# KiCad board INS-1 Matrix Display Motherboard.kicad_pcb
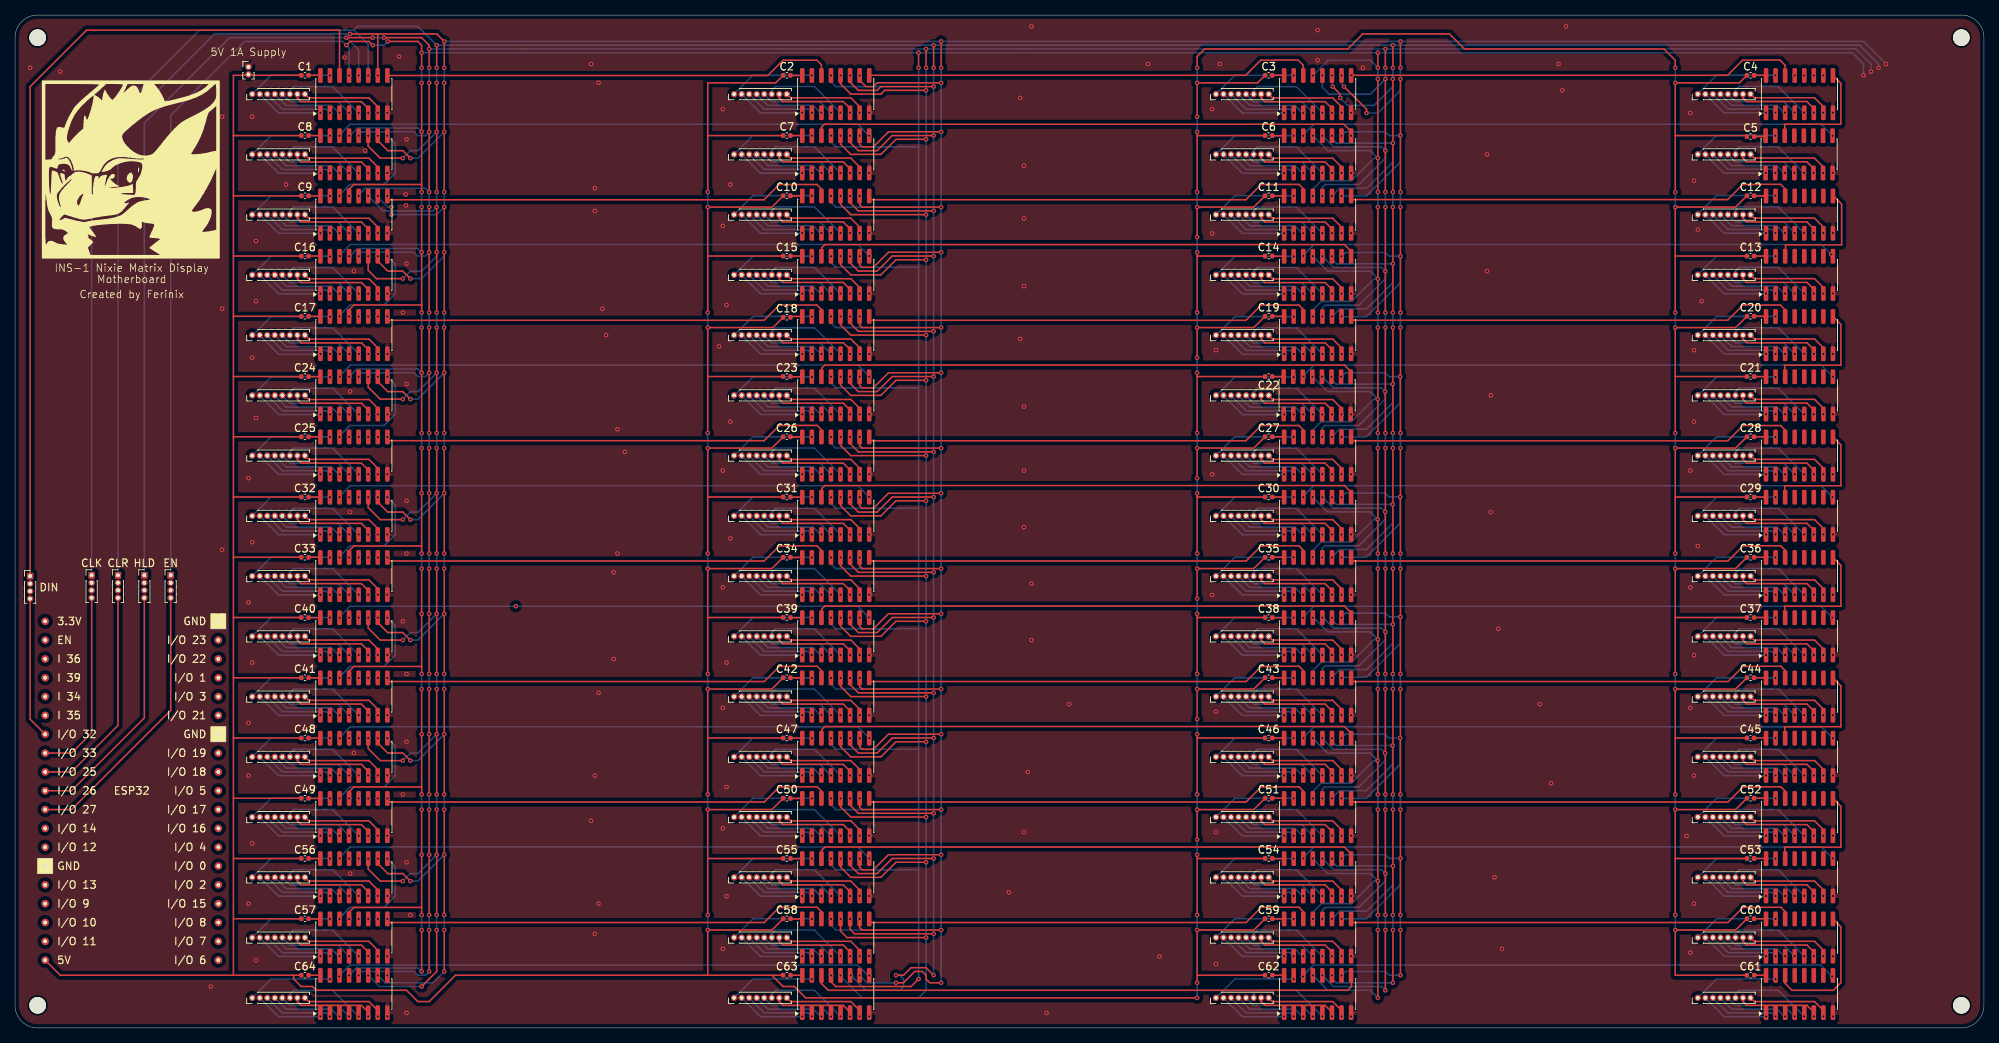
[diagram p0: board, top side]
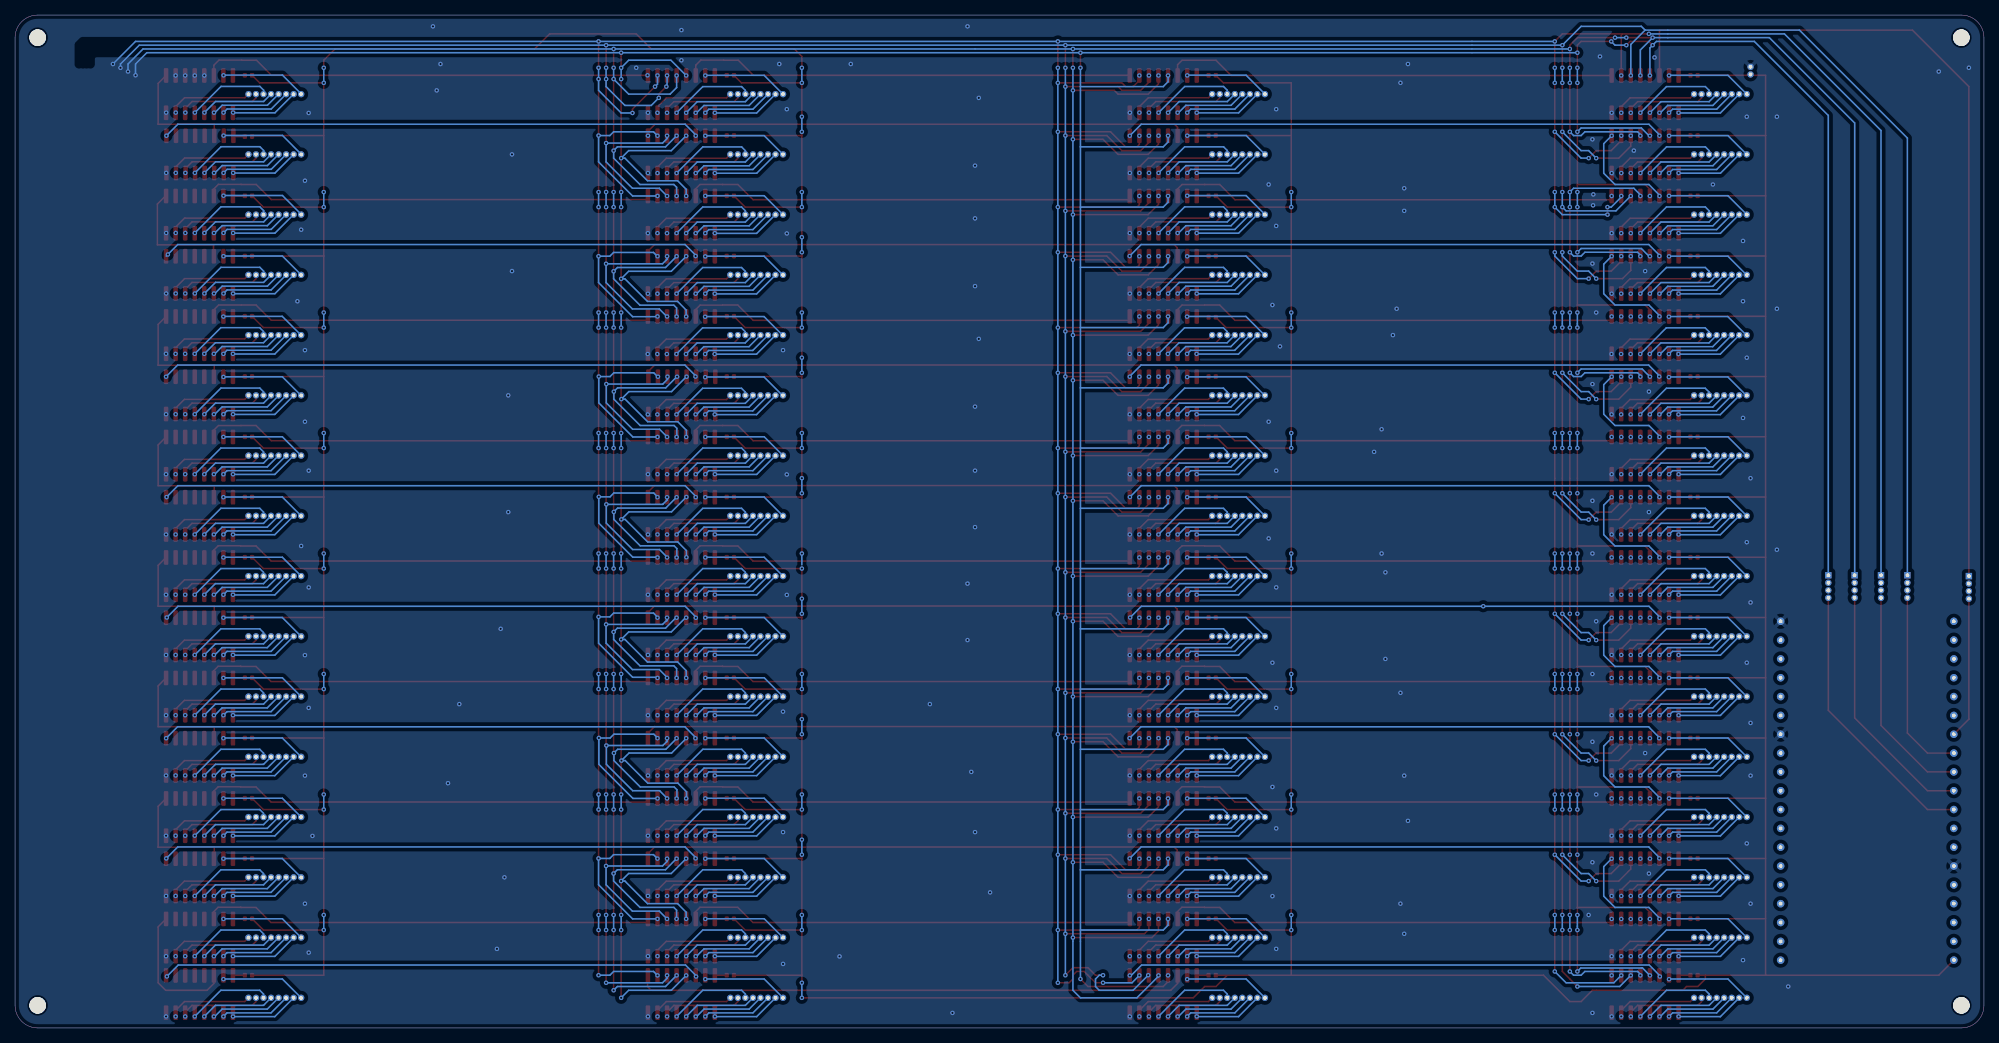
[diagram p1: board, bottom side, seen from below]

Outline 261.5 x 134.5 mm; copper layers: Top, Bottom. Coordinates in mm from the lower left corner of the outline.
Outline path: 0,131.5 arc(0.88,133.62) 3,134.5 258.5,134.5 arc(260.62,133.62) 261.5,131.5 261.5,3 arc(260.62,0.88) 258.5,0 3,0 arc(0.88,0.88) 0,3 0,131.5

## Placement (name value [footprint] x y rotation side)
C1  100nF  [C_0402_1005Metric]  38.5 126.5 0 top
C2  100nF  [C_0402_1005Metric]  102.5 126.5 0 top
C3  100nF  [C_0402_1005Metric]  166.5 126.5 0 top
C4  100nF  [C_0402_1005Metric]  230.5 126.5 0 top
C5  100nF  [C_0402_1005Metric]  230.5 118.36 0 top
C6  100nF  [C_0402_1005Metric]  166.5 118.5 0 top
C7  100nF  [C_0402_1005Metric]  102.5 118.5 0 top
C8  100nF  [C_0402_1005Metric]  38.5 118.5 0 top
C9  100nF  [C_0402_1005Metric]  38.5 110.5 0 top
C10  100nF  [C_0402_1005Metric]  102.5 110.5 0 top
C11  100nF  [C_0402_1005Metric]  166.5 110.5 0 top
C12  100nF  [C_0402_1005Metric]  230.5 110.5 0 top
C13  100nF  [C_0402_1005Metric]  230.5 102.5 0 top
C14  100nF  [C_0402_1005Metric]  166.5 102.5 0 top
C15  100nF  [C_0402_1005Metric]  102.5 102.5 0 top
C16  100nF  [C_0402_1005Metric]  38.5 102.5 0 top
C17  100nF  [C_0402_1005Metric]  38.5 94.5 0 top
C18  100nF  [C_0402_1005Metric]  102.5 94.37 0 top
C19  100nF  [C_0402_1005Metric]  166.5 94.5 0 top
C20  100nF  [C_0402_1005Metric]  230.5 94.5 0 top
C21  100nF  [C_0402_1005Metric]  230.5 86.5 0 top
C22  100nF  [C_0402_1005Metric]  166.5 86.5 180 top
C23  100nF  [C_0402_1005Metric]  102.5 86.5 0 top
C24  100nF  [C_0402_1005Metric]  38.5 86.5 0 top
C25  100nF  [C_0402_1005Metric]  38.5 78.5 0 top
C26  100nF  [C_0402_1005Metric]  102.5 78.5 0 top
C27  100nF  [C_0402_1005Metric]  166.5 78.5 0 top
C28  100nF  [C_0402_1005Metric]  230.5 78.5 0 top
C29  100nF  [C_0402_1005Metric]  230.5 70.5 0 top
C30  100nF  [C_0402_1005Metric]  166.5 70.5 0 top
C31  100nF  [C_0402_1005Metric]  102.5 70.5 0 top
C32  100nF  [C_0402_1005Metric]  38.5 70.5 0 top
C33  100nF  [C_0402_1005Metric]  38.5 62.5 0 top
C34  100nF  [C_0402_1005Metric]  102.5 62.5 0 top
C35  100nF  [C_0402_1005Metric]  166.5 62.5 0 top
C36  100nF  [C_0402_1005Metric]  230.5 62.5 0 top
C37  100nF  [C_0402_1005Metric]  230.5 54.5 0 top
C38  100nF  [C_0402_1005Metric]  166.5 54.5 0 top
C39  100nF  [C_0402_1005Metric]  102.5 54.5 0 top
C40  100nF  [C_0402_1005Metric]  38.5 54.5 0 top
C41  100nF  [C_0402_1005Metric]  38.5 46.5 0 top
C42  100nF  [C_0402_1005Metric]  102.5 46.5 0 top
C43  100nF  [C_0402_1005Metric]  166.5 46.5 0 top
C44  100nF  [C_0402_1005Metric]  230.5 46.5 0 top
C45  100nF  [C_0402_1005Metric]  230.5 38.5 0 top
C46  100nF  [C_0402_1005Metric]  166.5 38.5 0 top
C47  100nF  [C_0402_1005Metric]  102.5 38.5 0 top
C48  100nF  [C_0402_1005Metric]  38.5 38.5 0 top
C49  100nF  [C_0402_1005Metric]  38.5 30.5 0 top
C50  100nF  [C_0402_1005Metric]  102.5 30.5 0 top
C51  100nF  [C_0402_1005Metric]  166.5 30.5 0 top
C52  100nF  [C_0402_1005Metric]  230.5 30.5 0 top
C53  100nF  [C_0402_1005Metric]  230.5 22.5 0 top
C54  100nF  [C_0402_1005Metric]  166.5 22.5 0 top
C55  100nF  [C_0402_1005Metric]  102.5 22.5 0 top
C56  100nF  [C_0402_1005Metric]  38.5 22.5 0 top
C57  100nF  [C_0402_1005Metric]  38.5 14.5 0 top
C58  100nF  [C_0402_1005Metric]  102.5 14.5 0 top
C59  100nF  [C_0402_1005Metric]  166.5 14.5 0 top
C60  100nF  [C_0402_1005Metric]  230.5 14.5 0 top
C61  100nF  [C_0402_1005Metric]  230.5 7 0 top
C62  100nF  [C_0402_1005Metric]  166.5 7 0 top
C63  100nF  [C_0402_1005Metric]  102.5 7 0 top
C64  100nF  [C_0402_1005Metric]  38.5 7 0 top
CLK  -  [PinHeader_1x04_P1.00mm_Vertical]  10.17 60.11 0 top
CLR  -  [PinHeader_1x04_P1.00mm_Vertical]  13.67 60.11 0 top
DIN  -  [PinHeader_1x04_P1.00mm_Vertical]  2 60 0 top
EN  -  [PinHeader_1x04_P1.00mm_Vertical]  20.67 60.11 0 top
HLD  -  [PinHeader_1x04_P1.00mm_Vertical]  17.17 60.11 0 top
NOREF  LOGO  [nixside]  15.37 113.99 0 top
NOREF#2  -  [PinHeader_1x02_P1.00mm_Vertical]  31 127.62 0 top
REF**  ESP32  [ESP32-WROOM-SlimMarkings]  15.5 31.5 0 top
REF**#2  -  [MountingHole_2.2mm_M2]  3 3 0 top
REF**#3  -  [MountingHole_2.2mm_M2]  258.5 3 0 top
REF**#4  -  [MountingHole_2.2mm_M2]  3 131.5 0 top
REF**#5  -  [MountingHole_2.2mm_M2]  258.5 131.5 0 top
RegisterLane  -  [PinHeader_1x08_P1.00mm_Vertical]  159.5 116 90 top
RegisterLane#2  -  [PinHeader_1x08_P1.00mm_Vertical]  31.5 20 90 top
RegisterLane#3  -  [PinHeader_1x08_P1.00mm_Vertical]  31.5 124 90 top
RegisterLane#4  -  [PinHeader_1x08_P1.00mm_Vertical]  223.5 116 90 top
RegisterLane#5  -  [PinHeader_1x08_P1.00mm_Vertical]  31.5 68 90 top
RegisterLane#6  -  [PinHeader_1x08_P1.00mm_Vertical]  223.5 36 90 top
RegisterLane#7  -  [PinHeader_1x08_P1.00mm_Vertical]  159.5 60 90 top
RegisterLane#8  -  [PinHeader_1x08_P1.00mm_Vertical]  159.5 12 90 top
RegisterLane#9  -  [PinHeader_1x08_P1.00mm_Vertical]  95.5 12 90 top
RegisterLane#10  -  [PinHeader_1x08_P1.00mm_Vertical]  31.5 52 90 top
RegisterLane#11  -  [PinHeader_1x08_P1.00mm_Vertical]  95.5 20 90 top
RegisterLane#12  -  [PinHeader_1x08_P1.00mm_Vertical]  31.5 4 90 top
RegisterLane#13  -  [PinHeader_1x08_P1.00mm_Vertical]  159.5 100 90 top
RegisterLane#14  -  [PinHeader_1x08_P1.00mm_Vertical]  223.5 4 90 top
RegisterLane#15  -  [PinHeader_1x08_P1.00mm_Vertical]  223.5 60 90 top
RegisterLane#16  -  [PinHeader_1x08_P1.00mm_Vertical]  159.5 28 90 top
RegisterLane#17  -  [PinHeader_1x08_P1.00mm_Vertical]  31.5 76 90 top
RegisterLane#18  -  [PinHeader_1x08_P1.00mm_Vertical]  31.5 28 90 top
RegisterLane#19  -  [PinHeader_1x08_P1.00mm_Vertical]  31.5 36 90 top
RegisterLane#20  -  [PinHeader_1x08_P1.00mm_Vertical]  95.5 100 90 top
RegisterLane#21  -  [PinHeader_1x08_P1.00mm_Vertical]  159.5 92 90 top
RegisterLane#22  -  [PinHeader_1x08_P1.00mm_Vertical]  223.5 52 90 top
RegisterLane#23  -  [PinHeader_1x08_P1.00mm_Vertical]  159.5 84 90 top
RegisterLane#24  -  [PinHeader_1x08_P1.00mm_Vertical]  95.5 36 90 top
RegisterLane#25  -  [PinHeader_1x08_P1.00mm_Vertical]  31.5 44 90 top
RegisterLane#26  -  [PinHeader_1x08_P1.00mm_Vertical]  223.5 100 90 top
RegisterLane#27  -  [PinHeader_1x08_P1.00mm_Vertical]  31.5 84 90 top
RegisterLane#28  -  [PinHeader_1x08_P1.00mm_Vertical]  159.5 52 90 top
RegisterLane#29  -  [PinHeader_1x08_P1.00mm_Vertical]  159.5 4 90 top
RegisterLane#30  -  [PinHeader_1x08_P1.00mm_Vertical]  95.5 4 90 top
RegisterLane#31  -  [PinHeader_1x08_P1.00mm_Vertical]  223.5 68 90 top
RegisterLane#32  -  [PinHeader_1x08_P1.00mm_Vertical]  159.5 108 90 top
RegisterLane#33  -  [PinHeader_1x08_P1.00mm_Vertical]  223.5 124 90 top
RegisterLane#34  -  [PinHeader_1x08_P1.00mm_Vertical]  159.5 68 90 top
RegisterLane#35  -  [PinHeader_1x08_P1.00mm_Vertical]  223.5 20 90 top
RegisterLane#36  -  [PinHeader_1x08_P1.00mm_Vertical]  95.5 44 90 top
RegisterLane#37  -  [PinHeader_1x08_P1.00mm_Vertical]  95.5 108 90 top
RegisterLane#38  -  [PinHeader_1x08_P1.00mm_Vertical]  95.5 84 90 top
RegisterLane#39  -  [PinHeader_1x08_P1.00mm_Vertical]  159.5 76 90 top
RegisterLane#40  -  [PinHeader_1x08_P1.00mm_Vertical]  223.5 92 90 top
RegisterLane#41  -  [PinHeader_1x08_P1.00mm_Vertical]  95.5 52 90 top
RegisterLane#42  -  [PinHeader_1x08_P1.00mm_Vertical]  159.5 36 90 top
RegisterLane#43  -  [PinHeader_1x08_P1.00mm_Vertical]  223.5 12 90 top
RegisterLane#44  -  [PinHeader_1x08_P1.00mm_Vertical]  31.5 12 90 top
RegisterLane#45  -  [PinHeader_1x08_P1.00mm_Vertical]  31.5 116 90 top
RegisterLane#46  -  [PinHeader_1x08_P1.00mm_Vertical]  31.5 100 90 top
RegisterLane#47  -  [PinHeader_1x08_P1.00mm_Vertical]  223.5 28 90 top
RegisterLane#48  -  [PinHeader_1x08_P1.00mm_Vertical]  31.5 108 90 top
RegisterLane#49  -  [PinHeader_1x08_P1.00mm_Vertical]  223.5 44 90 top
RegisterLane#50  -  [PinHeader_1x08_P1.00mm_Vertical]  95.5 68 90 top
RegisterLane#51  -  [PinHeader_1x08_P1.00mm_Vertical]  95.5 92 90 top
RegisterLane#52  -  [PinHeader_1x08_P1.00mm_Vertical]  31.5 92 90 top
RegisterLane#53  -  [PinHeader_1x08_P1.00mm_Vertical]  95.5 60 90 top
RegisterLane#54  -  [PinHeader_1x08_P1.00mm_Vertical]  95.5 124 90 top
RegisterLane#55  -  [PinHeader_1x08_P1.00mm_Vertical]  159.5 124 90 top
RegisterLane#56  -  [PinHeader_1x08_P1.00mm_Vertical]  223.5 76 90 top
RegisterLane#57  -  [PinHeader_1x08_P1.00mm_Vertical]  95.5 28 90 top
RegisterLane#58  -  [PinHeader_1x08_P1.00mm_Vertical]  223.5 108 90 top
RegisterLane#59  -  [PinHeader_1x08_P1.00mm_Vertical]  159.5 20 90 top
RegisterLane#60  -  [PinHeader_1x08_P1.00mm_Vertical]  159.5 44 90 top
RegisterLane#61  -  [PinHeader_1x08_P1.00mm_Vertical]  95.5 116 90 top
RegisterLane#62  -  [PinHeader_1x08_P1.00mm_Vertical]  95.5 76 90 top
RegisterLane#63  -  [PinHeader_1x08_P1.00mm_Vertical]  31.5 60 90 top
RegisterLane#64  -  [PinHeader_1x08_P1.00mm_Vertical]  223.5 84 90 top
U1  74AHC595  [SOIC-16_3.9x9.9mm_P1.27mm]  45 124 90 top
U2  74AHC595  [SOIC-16_3.9x9.9mm_P1.27mm]  109 124 90 top
U3  74AHC595  [SOIC-16_3.9x9.9mm_P1.27mm]  173 124 90 top
U4  74AHC595  [SOIC-16_3.9x9.9mm_P1.27mm]  237 124 90 top
U5  74AHC595  [SOIC-16_3.9x9.9mm_P1.27mm]  236.95 116 90 top
U6  74AHC595  [SOIC-16_3.9x9.9mm_P1.27mm]  173 116 90 top
U7  74AHC595  [SOIC-16_3.9x9.9mm_P1.27mm]  109 116 90 top
U8  74AHC595  [SOIC-16_3.9x9.9mm_P1.27mm]  45 116 90 top
U9  74AHC595  [SOIC-16_3.9x9.9mm_P1.27mm]  45 108 90 top
U10  74AHC595  [SOIC-16_3.9x9.9mm_P1.27mm]  109 108 90 top
U11  74AHC595  [SOIC-16_3.9x9.9mm_P1.27mm]  173 108 90 top
U12  74AHC595  [SOIC-16_3.9x9.9mm_P1.27mm]  237 108 90 top
U13  74AHC595  [SOIC-16_3.9x9.9mm_P1.27mm]  237 100 90 top
U14  74AHC595  [SOIC-16_3.9x9.9mm_P1.27mm]  173 100 90 top
U15  74AHC595  [SOIC-16_3.9x9.9mm_P1.27mm]  109 100 90 top
U16  74AHC595  [SOIC-16_3.9x9.9mm_P1.27mm]  45 100 90 top
U17  74AHC595  [SOIC-16_3.9x9.9mm_P1.27mm]  45 92 90 top
U18  74AHC595  [SOIC-16_3.9x9.9mm_P1.27mm]  109 92 90 top
U19  74AHC595  [SOIC-16_3.9x9.9mm_P1.27mm]  173 92 90 top
U20  74AHC595  [SOIC-16_3.9x9.9mm_P1.27mm]  237 92 90 top
U21  74AHC595  [SOIC-16_3.9x9.9mm_P1.27mm]  237 84 90 top
U22  74AHC595  [SOIC-16_3.9x9.9mm_P1.27mm]  172.94 84 90 top
U23  74AHC595  [SOIC-16_3.9x9.9mm_P1.27mm]  109 84 90 top
U24  74AHC595  [SOIC-16_3.9x9.9mm_P1.27mm]  45 84 90 top
U25  74AHC595  [SOIC-16_3.9x9.9mm_P1.27mm]  45 76 90 top
U26  74AHC595  [SOIC-16_3.9x9.9mm_P1.27mm]  109 76 90 top
U27  74AHC595  [SOIC-16_3.9x9.9mm_P1.27mm]  173 76 90 top
U28  74AHC595  [SOIC-16_3.9x9.9mm_P1.27mm]  237 76 90 top
U29  74AHC595  [SOIC-16_3.9x9.9mm_P1.27mm]  237 68 90 top
U30  74AHC595  [SOIC-16_3.9x9.9mm_P1.27mm]  173 68 90 top
U31  74AHC595  [SOIC-16_3.9x9.9mm_P1.27mm]  109 68 90 top
U32  74AHC595  [SOIC-16_3.9x9.9mm_P1.27mm]  45 68 90 top
U33  74AHC595  [SOIC-16_3.9x9.9mm_P1.27mm]  45 60 90 top
U34  74AHC595  [SOIC-16_3.9x9.9mm_P1.27mm]  109 60 90 top
U35  74AHC595  [SOIC-16_3.9x9.9mm_P1.27mm]  173 60 90 top
U36  74AHC595  [SOIC-16_3.9x9.9mm_P1.27mm]  237 60 90 top
U37  74AHC595  [SOIC-16_3.9x9.9mm_P1.27mm]  237 52 90 top
U38  74AHC595  [SOIC-16_3.9x9.9mm_P1.27mm]  173 52 90 top
U39  74AHC595  [SOIC-16_3.9x9.9mm_P1.27mm]  109 52 90 top
U40  74AHC595  [SOIC-16_3.9x9.9mm_P1.27mm]  45 52 90 top
U41  74AHC595  [SOIC-16_3.9x9.9mm_P1.27mm]  45 44 90 top
U42  74AHC595  [SOIC-16_3.9x9.9mm_P1.27mm]  109 44 90 top
U43  74AHC595  [SOIC-16_3.9x9.9mm_P1.27mm]  173 44 90 top
U44  74AHC595  [SOIC-16_3.9x9.9mm_P1.27mm]  237 44 90 top
U45  74AHC595  [SOIC-16_3.9x9.9mm_P1.27mm]  237 36 90 top
U46  74AHC595  [SOIC-16_3.9x9.9mm_P1.27mm]  173 36 90 top
U47  74AHC595  [SOIC-16_3.9x9.9mm_P1.27mm]  109 36 90 top
U48  74AHC595  [SOIC-16_3.9x9.9mm_P1.27mm]  45 36 90 top
U49  74AHC595  [SOIC-16_3.9x9.9mm_P1.27mm]  45 28 90 top
U50  74AHC595  [SOIC-16_3.9x9.9mm_P1.27mm]  109 28 90 top
U51  74AHC595  [SOIC-16_3.9x9.9mm_P1.27mm]  173 28 90 top
U52  74AHC595  [SOIC-16_3.9x9.9mm_P1.27mm]  237 28 90 top
U53  74AHC595  [SOIC-16_3.9x9.9mm_P1.27mm]  237 20 90 top
U54  74AHC595  [SOIC-16_3.9x9.9mm_P1.27mm]  173 20 90 top
U55  74AHC595  [SOIC-16_3.9x9.9mm_P1.27mm]  109 20 90 top
U56  74AHC595  [SOIC-16_3.9x9.9mm_P1.27mm]  45 20 90 top
U57  74AHC595  [SOIC-16_3.9x9.9mm_P1.27mm]  45 12 90 top
U58  74AHC595  [SOIC-16_3.9x9.9mm_P1.27mm]  109 12 90 top
U59  74AHC595  [SOIC-16_3.9x9.9mm_P1.27mm]  173 12 90 top
U60  74AHC595  [SOIC-16_3.9x9.9mm_P1.27mm]  237 12 90 top
U61  74AHC595  [SOIC-16_3.9x9.9mm_P1.27mm]  237 4.5 90 top
U62  74AHC595  [SOIC-16_3.9x9.9mm_P1.27mm]  173 4.5 90 top
U63  74AHC595  [SOIC-16_3.9x9.9mm_P1.27mm]  109 4.5 90 top
U64  74AHC595  [SOIC-16_3.9x9.9mm_P1.27mm]  45 4.5 90 top

## Library data of the parts
C1-C64 = -: Description: Unpolarized capacitor, small symbol; ki_fp_filters: C_*
U1-U64 = -: Datasheet: https://assets.nexperia.com/documents/data-sheet/74AHC_AHCT595.pdf; Description: 8-bit serial in/out Shift Register 3-State Outputs; ki_fp_filters: DIP*W7.62mm* SOIC*3.9x9.9mm*P1.27mm* TSSOP*4.4x5mm*P0.65mm* SOIC*5.3x10.2mm*P1.27mm* SOIC*7.5x10.3mm*P1.27mm*

## Footprints (pads in the part's own frame, mm; a bottom-side part is the same pattern mirrored in y, then rotated)
C_0402_1005Metric
  rrect 0.56x0.62 smd: 1(-0.48,0) 2(0.48,0)
ESP32-WROOM-SlimMarkings
  round 1 hole 0.5: 1(-11.5,22.5) 2(-11.5,20) 3(-11.5,17.5) 4(-11.5,15) 5(-11.5,12.5) 6(-11.5,10) 7(-11.5,7.5) 8(-11.5,5) 9(-11.5,2.5) 10(-11.5,0) 11(-11.5,-2.5) 12(-11.5,-5) 13(-11.5,-7.5) 14(-11.5,-10) 15(-11.5,-12.5) 16(-11.5,-15) 17(-11.5,-17.5) 18(-11.5,-20) 19(-11.5,-22.5) 20(11.5,-22.5) 21(11.5,-20) 22(11.5,-17.5) 23(11.5,-15) 24(11.5,-12.5) 25(11.5,-10) 26(11.5,-7.5) 27(11.5,-5) 28(11.5,-2.5) 29(11.5,0) 30(11.5,2.5) 31(11.5,5) 32(11.5,7.5) 33(11.5,10) 34(11.5,12.5) 35(11.5,15) 36(11.5,17.5) 37(11.5,20) 38(11.5,22.5)
MountingHole_2.2mm_M2
  round 2.2 hole 2.2 unplated: (0,0)
PinHeader_1x02_P1.00mm_Vertical
  round 0.85 hole 0.5: 1(0,0) 2(0,-1)
PinHeader_1x04_P1.00mm_Vertical
  rect 0.85x0.85 hole 0.5: 1(0,0)
  round 0.85 hole 0.5: 2(0,-1) 3(0,-2) 4(0,-3)
PinHeader_1x08_P1.00mm_Vertical
  round 0.85 hole 0.5: 1(0,0) 2(0,-1) 3(0,-2) 4(0,-3) 5(0,-4) 6(0,-5) 7(0,-6) 8(0,-7)
SOIC-16_3.9x9.9mm_P1.27mm
  rrect 1.95x0.6 smd: 1(-2.475,4.445) 2(-2.475,3.175) 3(-2.475,1.905) 4(-2.475,0.635) 5(-2.475,-0.635) 6(-2.475,-1.905) 7(-2.475,-3.175) 8(-2.475,-4.445) 9(2.475,-4.445) 10(2.475,-3.175) 11(2.475,-1.905) 12(2.475,-0.635) 13(2.475,0.635) 14(2.475,1.905) 15(2.475,3.175) 16(2.475,4.445)

## Nets
5V: C59.2 U59.16
GND: NOREF#2.1 REF**.14 REF**.32 REF**.38 U1.8 U2.8 U3.8 U4.8 U5.8 U6.8 U7.8 U8.8 U9.8 U10.8 U11.8 U12.8 U13.8 U14.8 U15.8 U16.8 U17.8 U18.8 U19.8 U20.8 U21.8 U22.8 U23.8 U24.8 U25.8 U26.8 U27.8 U28.8 U29.8 U30.8 U31.8 U32.8 U33.8 U34.8 U35.8 U36.8 U37.8 U38.8 U39.8 U40.8 U41.8 U42.8 U43.8 U44.8 U45.8 U46.8 U47.8 U48.8 U49.8 U50.8 U51.8 U52.8 U53.8 U54.8 U55.8 U56.8 U57.8 U59.8 U60.8 U61.8 U62.8 U63.8 U64.8
Net-(C1-Pad1): C1.1 C2.1 C3.1 C4.1 C5.1 C6.1 C7.1 C8.1
Net-(C10-Pad1): C9.1 C10.1 C11.1 C12.1 C13.1 C14.1 C15.1 C16.1
Net-(C17-Pad1): C17.1 C18.1 C19.1 C20.1 C21.1 C22.1 C23.1 C24.1
Net-(C25-Pad1): C25.1 C26.1 C27.1 C28.1 C29.1 C30.1 C31.1 C32.1
Net-(C33-Pad1): C33.1 C34.1 C35.1 C36.1 C37.1 C38.1 C39.1 C40.1
Net-(C41-Pad1): C41.1 C42.1 C43.1 C44.1 C45.1 C46.1 C47.1 C48.1
Net-(C49-Pad1): C49.1 C50.1 C51.1 C52.1 C53.1 C54.1 C55.1 C56.1
Net-(C57-Pad1): C57.1 C58.1 C59.1 C60.1 C61.1 C62.1 C63.1 C64.1
Net-(U1-QH'): U1.9 U2.14
Net-(U1-RCLK): U1.12 U2.12 U3.12 U4.12 U5.12 U6.12 U7.12 U8.12 U9.12 U10.12 U11.12 U12.12 U13.12 U14.12 U15.12 U16.12 U17.12 U18.12 U19.12 U20.12 U21.12 U22.12 U23.12 U24.12 U25.12 U26.12 U27.12 U28.12 U29.12 U30.12 U31.12 U32.12 U33.12 U34.12 U35.12 U36.12 U37.12 U38.12 U39.12 U40.12 U41.12 U42.12 U43.12 U44.12 U45.12 U46.12 U47.12 U48.12 U49.12 U50.12 U51.12 U52.12 U53.12 U54.12 U55.12 U56.12 U57.12 U58.12 U59.12 U60.12 U61.12 U62.12 U63.12 U64.12
Net-(U1-SRCLK): U1.11 U2.11 U3.11 U4.11 U5.11 U6.11 U7.11 U8.11 U9.11 U10.11 U11.11 U12.11 U13.11 U14.11 U15.11 U16.11 U17.11 U18.11 U19.11 U20.11 U21.11 U22.11 U23.11 U24.11 U25.11 U26.11 U27.11 U28.11 U29.11 U30.11 U31.11 U32.11 U33.11 U34.11 U35.11 U36.11 U37.11 U38.11 U39.11 U40.11 U41.11 U42.11 U43.11 U44.11 U45.11 U46.11 U47.11 U48.11 U49.11 U50.11 U51.11 U52.11 U53.11 U54.11 U55.11 U56.11 U57.11 U58.11 U59.11 U60.11 U61.11 U62.11 U63.11 U64.11
Net-(U1-VCC): C1.2 U1.16
Net-(U1-~{OE}): U1.13 U2.13 U3.13 U4.13 U5.13 U6.13 U7.13 U8.13 U9.13 U10.13 U11.13 U12.13 U13.13 U14.13 U15.13 U16.13 U17.13 U18.13 U19.13 U20.13 U21.13 U22.13 U23.13 U24.13 U25.13 U26.13 U27.13 U28.13 U29.13 U30.13 U31.13 U32.13 U33.13 U34.13 U35.13 U36.13 U37.13 U38.13 U39.13 U40.13 U41.13 U42.13 U43.13 U44.13 U45.13 U46.13 U47.13 U48.13 U49.13 U50.13 U51.13 U52.13 U53.13 U54.13 U55.13 U56.13 U57.13 U58.13 U59.13 U60.13 U61.13 U62.13 U63.13 U64.13
Net-(U1-~{SRCLR}): U1.10 U2.10 U3.10 U4.10 U5.10 U6.10 U7.10 U8.10 U9.10 U10.10 U11.10 U12.10 U13.10 U14.10 U15.10 U16.10 U17.10 U18.10 U19.10 U20.10 U21.10 U22.10 U23.10 U24.10 U25.10 U26.10 U27.10 U28.10 U29.10 U30.10 U31.10 U32.10 U33.10 U34.10 U35.10 U36.10 U37.10 U38.10 U39.10 U40.10 U41.10 U42.10 U43.10 U44.10 U45.10 U46.10 U47.10 U48.10 U49.10 U50.10 U51.10 U52.10 U53.10 U54.10 U55.10 U56.10 U57.10 U58.10 U59.10 U60.10 U61.10 U62.10 U63.10 U64.10
Net-(U2-QH'): U2.9 U3.14
Net-(U2-VCC): C2.2 U2.16
Net-(U3-QH'): U3.9 U4.14
Net-(U3-VCC): C3.2 U3.16
Net-(U4-QH'): U4.9 U5.14
Net-(U4-VCC): C4.2 U4.16
Net-(U5-QH'): U5.9 U6.14
Net-(U5-VCC): C5.2 U5.16
Net-(U6-QH'): U6.9 U7.14
Net-(U6-VCC): C6.2 U6.16
Net-(U7-QH'): U7.9 U8.14
Net-(U7-VCC): C7.2 U7.16
Net-(U8-QH'): U8.9 U9.14
Net-(U8-VCC): C8.2 U8.16
Net-(U9-VCC): C9.2 U9.16
Net-(U10-QH'): U10.9 U11.14
Net-(U10-SER): U9.9 U10.14
Net-(U10-VCC): C10.2 U10.16
Net-(U11-QH'): U11.9 U12.14
Net-(U11-VCC): C11.2 U11.16
Net-(U12-QH'): U12.9 U13.14
Net-(U12-VCC): C12.2 U12.16
Net-(U13-QH'): U13.9 U14.14
Net-(U13-VCC): C13.2 U13.16
Net-(U14-QH'): U14.9 U15.14
Net-(U14-VCC): C14.2 U14.16
Net-(U15-QH'): U15.9 U16.14
Net-(U15-VCC): C15.2 U15.16
Net-(U16-QH'): U16.9 U17.14
Net-(U16-VCC): C16.2 U16.16
Net-(U17-QH'): U17.9 U18.14
Net-(U17-VCC): C17.2 U17.16
Net-(U18-QH'): U18.9 U19.14
Net-(U18-VCC): C18.2 U18.16
Net-(U19-QH'): U19.9 U20.14
Net-(U19-VCC): C19.2 U19.16
Net-(U20-QH'): U20.9 U21.14
Net-(U20-VCC): C20.2 U20.16
Net-(U21-QH'): U21.9 U22.14
Net-(U21-VCC): C21.2 U21.16
Net-(U22-QH'): U22.9 U23.14
Net-(U22-VCC): C22.2 U22.16
Net-(U23-QH'): U23.9 U24.14
Net-(U23-VCC): C23.2 U23.16
Net-(U24-QH'): U24.9 U25.14
Net-(U24-VCC): C24.2 U24.16
Net-(U25-QH'): U25.9 U26.14
Net-(U25-VCC): C25.2 U25.16
Net-(U26-QH'): U26.9 U27.14
Net-(U26-VCC): C26.2 U26.16
Net-(U27-QH'): U27.9 U28.14
Net-(U27-VCC): C27.2 U27.16
Net-(U28-QH'): U28.9 U29.14
Net-(U28-VCC): C28.2 U28.16
Net-(U29-QH'): U29.9 U30.14
Net-(U29-VCC): C29.2 U29.16
Net-(U30-QH'): U30.9 U31.14
Net-(U30-VCC): C30.2 U30.16
Net-(U31-QH'): U31.9 U32.14
Net-(U31-VCC): C31.2 U31.16
Net-(U32-QH'): U32.9 U33.14
Net-(U32-VCC): C32.2 U32.16
Net-(U33-QH'): U33.9 U34.14
Net-(U33-VCC): C33.2 U33.16
Net-(U34-QH'): U34.9 U35.14
Net-(U34-VCC): C34.2 U34.16
Net-(U35-QH'): U35.9 U36.14
Net-(U35-VCC): C35.2 U35.16
Net-(U36-QH'): U36.9 U37.14
Net-(U36-VCC): C36.2 U36.16
Net-(U37-QH'): U37.9 U38.14
Net-(U37-VCC): C37.2 U37.16
Net-(U38-QH'): U38.9 U39.14
Net-(U38-VCC): C38.2 U38.16
Net-(U39-QH'): U39.9 U40.14
Net-(U39-VCC): C39.2 U39.16
Net-(U40-QH'): U40.9 U41.14
Net-(U40-VCC): C40.2 U40.16
Net-(U41-QH'): U41.9 U42.14
Net-(U41-VCC): C41.2 U41.16
Net-(U42-QH'): U42.9 U43.14
Net-(U42-VCC): C42.2 U42.16
Net-(U43-QH'): U43.9 U44.14
Net-(U43-VCC): C43.2 U43.16
Net-(U44-QH'): U44.9 U45.14
Net-(U44-VCC): C44.2 U44.16
Net-(U45-QH'): U45.9 U46.14
Net-(U45-VCC): C45.2 U45.16
Net-(U46-QH'): U46.9 U47.14
Net-(U46-VCC): C46.2 U46.16
Net-(U47-QH'): U47.9 U48.14
Net-(U47-VCC): C47.2 U47.16
Net-(U48-QH'): U48.9 U49.14
Net-(U48-VCC): C48.2 U48.16
Net-(U49-QH'): U49.9 U50.14
Net-(U49-VCC): C49.2 U49.16
Net-(U50-QH'): U50.9 U51.14
Net-(U50-VCC): C50.2 U50.16
Net-(U51-QH'): U51.9 U52.14
Net-(U51-VCC): C51.2 U51.16
Net-(U52-QH'): U52.9 U53.14
Net-(U52-VCC): C52.2 U52.16
Net-(U53-QH'): U53.9 U54.14
Net-(U53-VCC): C53.2 U53.16
Net-(U54-QH'): U54.9 U55.14
Net-(U54-VCC): C54.2 U54.16
Net-(U55-QH'): U55.9 U56.14
Net-(U55-VCC): C55.2 U55.16
Net-(U56-QH'): U56.9 U57.14
Net-(U56-VCC): C56.2 U56.16
Net-(U57-QH'): U57.9 U58.14
Net-(U57-VCC): C57.2 U57.16
Net-(U58-QH'): U58.9 U59.14
Net-(U58-VCC): C58.2 U58.16
Net-(U59-QH'): U59.9 U60.14
Net-(U60-QH'): U60.9 U61.14
Net-(U60-VCC): C60.2 U60.16
Net-(U61-QH'): U61.9 U62.14
Net-(U61-VCC): C61.2 U61.16
Net-(U62-QH'): U62.9 U63.14
Net-(U62-VCC): C62.2 U62.16
Net-(U63-QH'): U63.9 U64.14
Net-(U63-VCC): C63.2 U63.16
Net-(U64-VCC): C64.2 U64.16

Pads without a net: CLK 1 2 3 4; CLR 1 2 3 4; DIN 1 2 3 4; EN 1 2 3 4; HLD 1 2 3 4; NOREF#2 2; REF** 1 2 3 4 5 6 7 8 9 10 11 12 13 15 16 17 18 19 20 21 22 23 24 25 26 27 28 29 30 31 33 34 35 36 37; RegisterLane 1 2 3 4 5 6 7 8; RegisterLane#2 1 2 3 4 5 6 7 8; RegisterLane#3 1 2 3 4 5 6 7 8; RegisterLane#4 1 2 3 4 5 6 7 8; RegisterLane#5 1 2 3 4 5 6 7 8; RegisterLane#6 1 2 3 4 5 6 7 8; RegisterLane#7 1 2 3 4 5 6 7 8; RegisterLane#8 1 2 3 4 5 6 7 8; RegisterLane#9 1 2 3 4 5 6 7 8; RegisterLane#10 1 2 3 4 5 6 7 8; RegisterLane#11 1 2 3 4 5 6 7 8; RegisterLane#12 1 2 3 4 5 6 7 8; RegisterLane#13 1 2 3 4 5 6 7 8; RegisterLane#14 1 2 3 4 5 6 7 8; RegisterLane#15 1 2 3 4 5 6 7 8; RegisterLane#16 1 2 3 4 5 6 7 8; RegisterLane#17 1 2 3 4 5 6 7 8; RegisterLane#18 1 2 3 4 5 6 7 8; RegisterLane#19 1 2 3 4 5 6 7 8; RegisterLane#20 1 2 3 4 5 6 7 8; RegisterLane#21 1 2 3 4 5 6 7 8; RegisterLane#22 1 2 3 4 5 6 7 8; RegisterLane#23 1 2 3 4 5 6 7 8; RegisterLane#24 1 2 3 4 5 6 7 8; RegisterLane#25 1 2 3 4 5 6 7 8; RegisterLane#26 1 2 3 4 5 6 7 8; RegisterLane#27 1 2 3 4 5 6 7 8; RegisterLane#28 1 2 3 4 5 6 7 8; RegisterLane#29 1 2 3 4 5 6 7 8; RegisterLane#30 1 2 3 4 5 6 7 8; RegisterLane#31 1 2 3 4 5 6 7 8; RegisterLane#32 1 2 3 4 5 6 7 8; RegisterLane#33 1 2 3 4 5 6 7 8; RegisterLane#34 1 2 3 4 5 6 7 8; RegisterLane#35 1 2 3 4 5 6 7 8; RegisterLane#36 1 2 3 4 5 6 7 8; RegisterLane#37 1 2 3 4 5 6 7 8; RegisterLane#38 1 2 3 4 5 6 7 8; RegisterLane#39 1 2 3 4 5 6 7 8; RegisterLane#40 1 2 3 4 5 6 7 8; RegisterLane#41 1 2 3 4 5 6 7 8; RegisterLane#42 1 2 3 4 5 6 7 8; RegisterLane#43 1 2 3 4 5 6 7 8; RegisterLane#44 1 2 3 4 5 6 7 8; RegisterLane#45 1 2 3 4 5 6 7 8; RegisterLane#46 1 2 3 4 5 6 7 8; RegisterLane#47 1 2 3 4 5 6 7 8; RegisterLane#48 1 2 3 4 5 6 7 8; RegisterLane#49 1 2 3 4 5 6 7 8; RegisterLane#50 1 2 3 4 5 6 7 8; RegisterLane#51 1 2 3 4 5 6 7 8; RegisterLane#52 1 2 3 4 5 6 7 8; RegisterLane#53 1 2 3 4 5 6 7 8; RegisterLane#54 1 2 3 4 5 6 7 8; RegisterLane#55 1 2 3 4 5 6 7 8; RegisterLane#56 1 2 3 4 5 6 7 8; RegisterLane#57 1 2 3 4 5 6 7 8; RegisterLane#58 1 2 3 4 5 6 7 8; RegisterLane#59 1 2 3 4 5 6 7 8; RegisterLane#60 1 2 3 4 5 6 7 8; RegisterLane#61 1 2 3 4 5 6 7 8; RegisterLane#62 1 2 3 4 5 6 7 8; RegisterLane#63 1 2 3 4 5 6 7 8; RegisterLane#64 1 2 3 4 5 6 7 8; U1 1 2 3 4 5 6 7 14 15; U2 1 2 3 4 5 6 7 15; U3 1 2 3 4 5 6 7 15; U4 1 2 3 4 5 6 7 15; U5 1 2 3 4 5 6 7 15; U6 1 2 3 4 5 6 7 15; U7 1 2 3 4 5 6 7 15; U8 1 2 3 4 5 6 7 15; U9 1 2 3 4 5 6 7 15; U10 1 2 3 4 5 6 7 15; U11 1 2 3 4 5 6 7 15; U12 1 2 3 4 5 6 7 15; U13 1 2 3 4 5 6 7 15; U14 1 2 3 4 5 6 7 15; U15 1 2 3 4 5 6 7 15; U16 1 2 3 4 5 6 7 15; U17 1 2 3 4 5 6 7 15; U18 1 2 3 4 5 6 7 15; U19 1 2 3 4 5 6 7 15; U20 1 2 3 4 5 6 7 15; U21 1 2 3 4 5 6 7 15; U22 1 2 3 4 5 6 7 15; U23 1 2 3 4 5 6 7 15; U24 1 2 3 4 5 6 7 15; U25 1 2 3 4 5 6 7 15; U26 1 2 3 4 5 6 7 15; U27 1 2 3 4 5 6 7 15; U28 1 2 3 4 5 6 7 15; U29 1 2 3 4 5 6 7 15; U30 1 2 3 4 5 6 7 15; U31 1 2 3 4 5 6 7 15; U32 1 2 3 4 5 6 7 15; U33 1 2 3 4 5 6 7 15; U34 1 2 3 4 5 6 7 15; U35 1 2 3 4 5 6 7 15; U36 1 2 3 4 5 6 7 15; U37 1 2 3 4 5 6 7 15; U38 1 2 3 4 5 6 7 15; U39 1 2 3 4 5 6 7 15; U40 1 2 3 4 5 6 7 15; U41 1 2 3 4 5 6 7 15; U42 1 2 3 4 5 6 7 15; U43 1 2 3 4 5 6 7 15; U44 1 2 3 4 5 6 7 15; U45 1 2 3 4 5 6 7 15; U46 1 2 3 4 5 6 7 15; U47 1 2 3 4 5 6 7 15; U48 1 2 3 4 5 6 7 15; U49 1 2 3 4 5 6 7 15; U50 1 2 3 4 5 6 7 15; U51 1 2 3 4 5 6 7 15; U52 1 2 3 4 5 6 7 15; U53 1 2 3 4 5 6 7 15; U54 1 2 3 4 5 6 7 15; U55 1 2 3 4 5 6 7 15; U56 1 2 3 4 5 6 7 15; U57 1 2 3 4 5 6 7 15; U58 1 2 3 4 5 6 7 8 15; U59 1 2 3 4 5 6 7 15; U60 1 2 3 4 5 6 7 15; U61 1 2 3 4 5 6 7 15; U62 1 2 3 4 5 6 7 15; U63 1 2 3 4 5 6 7 15; U64 1 2 3 4 5 6 7 9 15